# Altium PCB PCB_SAMARUC_8.PcbDoc (part 2 of 2) (continued)
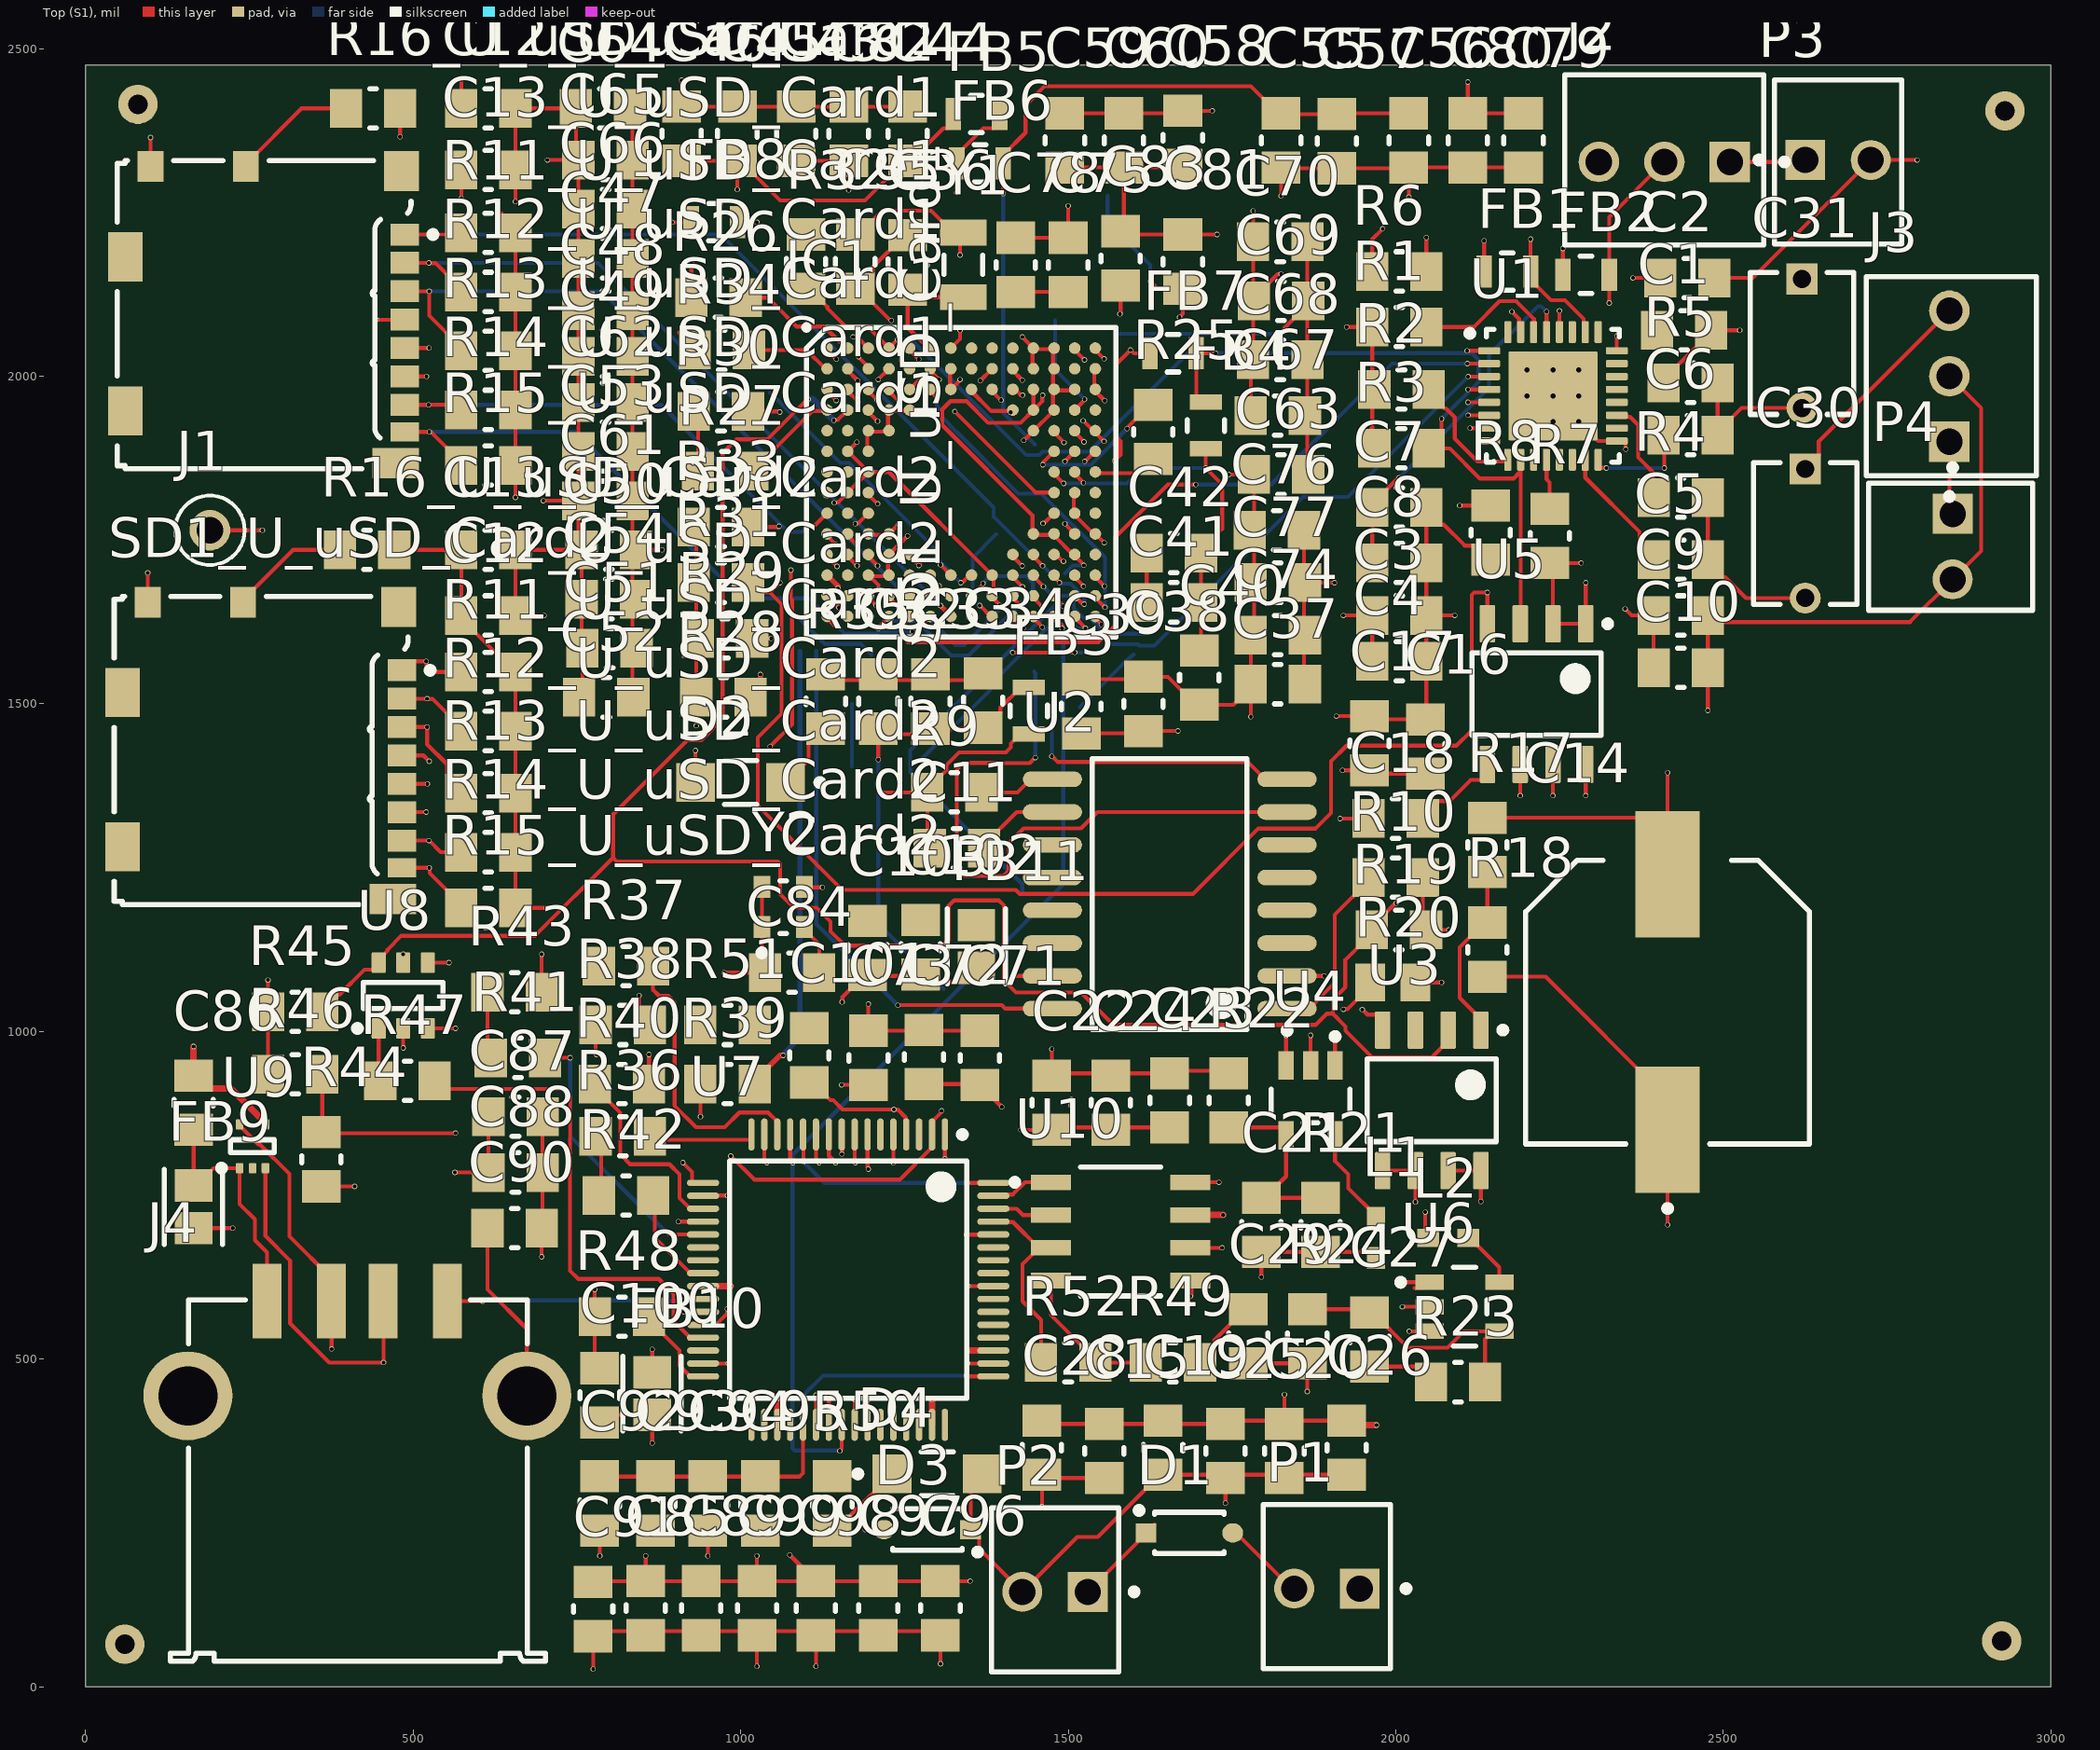
[diagram p0: Top (S1) view]
## Nets (pads, with @x,y where several pads share a name; then routed paths per layer and width w, separated by ;. In a path a pad name is that pad's centre, name@x,y a point inside that pad or via, vN(x,y) a via of type N, cw(c..) or ccw(c..) an arc to the next point about the centre after c; other vN are vias at no path point) (continued)
  Top (S1) w6: IC1.M3@1193.54,1695 1225.04,1695 IC1.L4@1225.04,1726.5 ; IC1.M3@1195,1696.5 1210.31,1681.19 1210.31,1675.84 v4(1210.69,1675.46) ; IC1.L4@1226.5,1727.99 v1(1255,1756.5) ; IC1.C6@1288.03,1978.46 1288.57,1978.46 1299.36,1967.68 v4(1299.36,1967.14) ; IC1.N8@1351.02,1663.5 1369.62,1682.1 1369.62,1683.45 v4(1370,1683.84) ; IC1.N14@1540,1663.5 v4(1556.18,1647.33)
  S2 w6: v1(1255,1756.5) 1330,1831.5 v5(1330,1914.1)
  Bottom (S3) w6: v4(1210.69,1675.46) 1210.69,1646.59 1230.91,1626.37 1269,1626.37 1321.37,1574 1348.17,1574 1446.28,1672.11 1446.28,1685.36 1436.91,1694.73 1380.9,1694.73 v4(1370,1683.84) ; v4(1299.36,1967.14) 1299.74,1966.75 1299.74,1954.2 1302.81,1951.14 1302.81,1942.19 1319.14,1925.86 1319.14,1924.97 v5(1330,1914.1) ; v5@1330,1915 1424.06,1820.94 1458.98,1820.94 1556.18,1723.74 v4(1556.18,1647.33)
NetIC1_D1: IC1.D1 R27.2 | length 153.9
  Top (S1) w6: R27.2@1017.68,1855 1017.68,1859.92 1039.28,1881.53 1044.2,1881.53 1109.65,1946.97 IC1.D1@1130.55,1946.97
NetIC1_F12: IC1.F12 R25.2 | length 232.8
  Top (S1) w6: v4(1461.3,1865) 1461.68,1865.38 1461.68,1868.65 IC1.F12@1477.01,1883.98 ; v4(1590,1920) 1590.38,1920.38 1590.38,1921.64 1625.08,1956.34 R25.2@1630,1956.34
  Bottom (S3) w6: v4(1461.3,1865) 1535,1865 v4(1590,1920)
NetIC1_G14: IC1.G14 R25.1 | length 98.2
  Top (S1) w6: IC1.G14@1541.46,1853.98 1543.24,1852.2 1608.54,1852.2 R25.1@1630,1873.66
NetIC1_J1: IC1.J1 R14_U_uSD_Card1.2 SD1_U_uSD_Card1.7 | length 799.2
  Top (S1) w6: SD1_U_uSD_Card1.7@494.82,1948.72 SD1_U_uSD_Card1.7@487.13,1956.42 v4(523.58,1956.42) 565.96,1956.42 R14_U_uSD_Card1.2@573.66,1948.72 ; v4(1103.67,1772.06) 1104.05,1772.44 1113.46,1772.44 IC1.J1@1130.51,1789.49
  Bottom (S3) w6: v4(523.58,1956.42) 878.58,1956.42 1072.64,1762.36 1093.97,1762.36 v4(1103.67,1772.06)
NetIC1_K1: IC1.K1 U2.15 | length 1275.3
  Top (S1) w6: IC1.K1@1130.55,1757.99 v1(1145.81,1742.73) ; v1(1417.67,1085) U2.15@1475.87,1085
  S2 w6: v1(1145.81,1742.73) 1161.08,1757.99 1203.24,1757.99 1221.49,1739.74 1272.34,1739.74 1275.34,1742.74 1501.13,1742.74 1519.45,1724.42 1537.45,1724.42 1641,1620.87 1641,1356 1410,1125 1410,1109.1 1417.67,1101.44 v1(1417.67,1085)
NetIC1_K2: IC1.K2 R38.2 | length 1642.1
  Top (S1) w6: v1(845,1055) 845,1026.34 R38.2@861.34,1010 ; IC1.K2@1162.05,1757.99 1162.43,1757.99 1177.89,1742.53 v1(1177.89,1741.99)
  S2 w6: v1(845,1055) 764.95,1135.05 594.7,1135.05 425,1304.75 425,1492.63 601.4,1669.03 1066.63,1669.03 1123.45,1725.84 1161.59,1725.84 1177.73,1741.99 v1(1177.89,1741.99)
NetIC1_L1: IC1.L1 U2.7 | length 1521.6
  Top (S1) w6: IC1.L1@1130.55,1726.5 v1(1147.2,1709.84) ; 1330,1330 1330,1248.82 1341.35,1237.47 1401.33,1237.47 1408.94,1245.09 1408.94,1287.01 1432.12,1310.19 1519.61,1310.19 1544.42,1335 U2.7@1834.13,1335 ; 1330.07,1330.09 1330.07,1399.91 1340.21,1410.06 1396.37,1410.06 1396.62,1409.81 1441.27,1409.81 1449.46,1418 v4(1450,1418)
  S2 w6: v5(1079.14,1640.86) 1079.27,1640.99 1079.27,1653.86 1134.87,1709.46 1146.82,1709.46 v1(1147.2,1709.84) ; v5(1200,1575) 1228.63,1546.37 1428.44,1546.37 1431.45,1549.38 v5(1447.99,1549.38)
  Bottom (S3) w6: v5(1079.14,1640.86) 1128.63,1591.37 1183.63,1591.37 v5(1200,1575) ; v5(1447.99,1549.38) 1447.99,1548.84 1450,1546.83 v4(1450,1418)
NetIC1_L2: IC1.L2 R29.2 | length 235.7
  Top (S1) w6: R29.2@1017.68,1600 v1(1046.66,1600) ; IC1.L2@1162.05,1726.5 v1(1177.74,1710.8)
  S2 w6: v1(1046.66,1600) 1060,1600 1084.86,1624.86 1085.77,1624.86 1095.14,1634.23 1095.14,1635.14 1102.46,1642.46 1102.46,1654.43 1141.46,1693.43 1153.41,1693.43 1156.72,1696.74 1163.68,1696.74 v1(1177.74,1710.8)
NetIC1_L3: IC1.L3 U2.16 | length 1024.8
  Top (S1) w6: IC1.L3@1193.54,1726.5 v1(1209.04,1711) ; v6(1240,1040) 1240.28,1040.28 1398.57,1040.28 1403.86,1035 U2.16@1475.87,1035
  S2 w6: v5(1115.55,1581.06) 1157.96,1623.47 1157.96,1630.93 1167,1639.97 1167,1672.78 1198.68,1704.46 1201.96,1704.46 1208.5,1711 v1(1209.04,1711) v1@1209.86,1710.17
  Bottom (S3) w6: v5(1115.55,1581.06) 1115.55,1164.45 v6(1240,1040)
  other v3: 1240,1040
NetIC1_L11: IC1.L11 R13_U_uSD_Card2.2 SD1_U_uSD_Card2.3 | length 1276.8
  Top (S1) w6: SD1_U_uSD_Card2.3@496.53,1450.91 SD1_U_uSD_Card2.3@482.8,1464.65 v1(521.42,1464.65) 521.42,1438.44 552.06,1407.81 552.06,1390.25 R13_U_uSD_Card2.2@573.66,1368.64 ; IC1.L11@1445.51,1726.5 1445.51,1726.28 1460.83,1710.96 v1(1460.83,1710.74)
  S2 w6: v1(521.42,1464.65) 1099.65,1464.65 1120,1485 1120,1540.25 1197,1617.25 1197,1622 1219.83,1644.83 1219.83,1649.22 1250.6,1679.98 1259.73,1679.98 1290.5,1710.74 v1(1460.83,1710.74)
NetIC1_L12: IC1.L12 R12_U_uSD_Card2.2 SD1_U_uSD_Card2.2 | length 1917.4
  Top (S1) w6: SD1_U_uSD_Card2.2@496.53,1494.22 SD1_U_uSD_Card2.2@482.8,1507.95 v1(521.45,1507.95) 521.83,1507.57 529.73,1507.57 573.66,1463.64 R12_U_uSD_Card2.2@573.66,1458.72 ; IC1.L12@1477.01,1726.5 1483.13,1726.5 1491.71,1717.92 1492.44,1717.92 v1(1492.83,1717.53)
  S2 w6: v1(521.45,1507.95) 452.98,1439.49 452.98,1299.39 518.29,1234.08 959.59,1234.08 1156.51,1431 1467.62,1431 1469.62,1433 1480.38,1433 1482.38,1431 1528.63,1431 1565.87,1468.24 1565.87,1564.25 1539.34,1590.78 1539.34,1686.8 1528.23,1697.91 1519.08,1697.91 1499.45,1717.53 v1(1492.83,1717.53)
NetIC1_M1: IC1.M1 R28.2 | length 249.5
  Top (S1) w8: R28.2@1015,1510 1030,1525 v1(1030,1545) ; IC1.M1@1130.55,1695 1133.5,1695 1148.5,1680 v1(1148.5,1676.43)
  S2 w8: v1(1030,1545) 1119.46,1634.46 1119.46,1647.39 v1(1148.5,1676.43)
NetIC1_M8: IC1.M8 SD1_U_uSD_Card1.5 | length 1023.6
  Top (S1) w6: SD1_U_uSD_Card1.5@487.13,2043.03 v1(524.57,2043.03) ; v4(1335.93,1685) 1336.32,1685.38 1338.34,1685.38 1347.96,1695 IC1.M8@1351.02,1695
  S2 w6: v1(524.57,2043.03) 976.97,2043.03 v5(1045,1975)
  Bottom (S3) w6: v5(1045,1975) 1152.13,1867.87 1165.51,1867.87 1297.83,1735.55 1297.83,1723.1 v4(1335.93,1685)
NetIC1_M10: IC1.M10 R13_U_uSD_Card1.2 SD1_U_uSD_Card1.3 | length 1357.1
  Top (S1) w6: SD1_U_uSD_Card1.3@500.86,2115.91 SD1_U_uSD_Card1.3@487.13,2129.65 v4(524.68,2129.65) 524.68,2092.63 573.66,2043.64 R13_U_uSD_Card1.2@573.66,2038.72 ; IC1.M10@1414.02,1695 v4(1430.28,1678.73)
  Bottom (S3) w6: v4(524.68,2129.65) 788.35,2129.65 1328,1590 1341.55,1590 v4(1430.28,1678.73)
NetIC1_M11: IC1.M11 U7.39 | length 1642.5
  Top (S1) w6: U7.39@1134.68,400 v1(1134.68,444.68) ; IC1.M11@1445.51,1695 1446.71,1695 1462.28,1679.43 v4(1462.28,1678.89)
  S2 w6: v1(1134.68,444.68) 1275,585 1275,1077.63 1625,1427.63 v5(1625,1614.24)
  Bottom (S3) w6: v4(1462.28,1678.89) 1476.17,1665 1499.3,1665 1508.67,1655.63 1508.67,1645.6 1522.85,1631.42 1532.96,1631.42 1557.38,1607 1617.22,1607 1624.46,1614.24 v5(1625,1614.24)
NetIC1_M12: IC1.M12 R11_U_uSD_Card2.2 SD1_U_uSD_Card2.1 | length 1242.2
  Top (S1) w6: SD1_U_uSD_Card2.1@482.8,1551.26 496.53,1564.99 v1(520,1565) 520.38,1564.62 520.38,1553.54 525.21,1548.72 R11_U_uSD_Card2.2@573.66,1548.72 ; IC1.M12@1477.27,1695 1486.67,1685.6 v1(1486.67,1685.06)
  S2 w6: v1(520,1565) 904.03,1565 941.03,1528 1085.12,1528 1181,1623.88 1181,1631.34 1183,1633.34 1183,1666.15 1205.31,1688.46 1236.45,1688.46 1244.44,1696.45 1253.57,1696.45 1283.87,1726.74 1467.89,1726.74 1476.83,1717.81 1476.83,1694.91 v1(1486.67,1685.06)
NetIC1_M13: IC1.M13 R14_U_uSD_Card2.2 SD1_U_uSD_Card2.7 | length 1575.5
  Top (S1) w6: SD1_U_uSD_Card2.7@482.8,1291.42 v1(524.49,1291.42) 542.19,1273.72 R14_U_uSD_Card2.2@573.66,1273.72 R14_U_uSD_Card2.2@555.96,1291.42 ; IC1.M13@1508.5,1695 1508.5,1694.63 1523.34,1679.8 v1(1523.34,1679.42)
  S2 w6: v1(524.49,1291.42) 971.67,1291.42 1143.25,1463 1454.36,1463 1456.36,1465 1493.64,1465 1495.64,1463 1508.69,1463 1533.87,1488.18 1533.87,1508.76 1461.24,1581.38 1442.84,1581.38 1413.86,1610.37 1413.86,1620.46 1425.36,1631.97 1495.19,1631.97 1510.88,1647.66 1510.88,1656.82 1522.95,1668.89 1522.95,1679.04 v1(1523.34,1679.42)
NetIC1_M14: IC1.M14 SD1_U_uSD_Card2.5 | length 1345.2
  Top (S1) w6: SD1_U_uSD_Card2.5@482.8,1378.03 v1(521.97,1378.03) ; IC1.M14@1540,1695 v1(1555.34,1679.66)
  S2 w6: v1(521.97,1378.03) 1035.66,1378.03 1136.63,1479 1447.73,1479 1449.73,1481 1500.27,1481 1502.16,1479.1 v5(1517.87,1494.81) ; v1(1555.34,1679.66) 1600,1635 v5(1600,1575)
  Bottom (S3) w6: v5(1517.87,1494.81) 1594.68,1571.62 1596.08,1571.62 1599.46,1575 v5(1600,1575)
NetIC1_N1: IC1.N1 R39.2 | length 807.3
  Top (S1) w8: R39.2@1021.34,920 1021.34,924.92 1060.08,963.66 v4(1065,963.66) ; IC1.N1@1132.01,1665 v1(1150,1647.01)
  S2 w8: v5(1090.46,1580) 1137.46,1627 1137.46,1634.47 v1(1150,1647.01)
  Bottom (S3) w8: v4@1065,965 1090.46,990.46 v5(1090.46,1580)
NetIC1_N3: IC1.N3 R36.2 R42.2 | length 105.3
  Top (S1) w6: R42.2@783.66,750 787.32,753.66 R36.2@787.32,835 ; IC1.N3@1193.54,1663.5 v1(1206.83,1650.22)
NetIC1_N4: IC1.N4 U2.8 | length 823.7
  Top (S1) w6: IC1.N4@1225.04,1663.5 v1(1240.89,1647.65) ; v3(1475,1420) 1475.54,1420 1484.26,1411.28 1774.39,1411.28 1800.67,1385 U2.8@1834.13,1385
  S2 w6: v1(1240.89,1647.65) 1256.24,1663 1310.38,1663 1349.62,1623.77 1349.62,1605.38 1392.63,1562.37 1421.81,1562.37 1424.82,1565.38 1454.62,1565.38 1475,1545 v5(1475,1500)
  Bottom (S3) w6: v3(1475,1420) v5(1475,1500)
  other v6: 1475,1420
NetIC1_N6: IC1.N6 R40.2 | length 933.9
  Top (S1) w6: R40.2@860,920 v1(860,965) ; v1(1271.45,1646.71) 1271.45,1646.84 1288.03,1663.42 IC1.N6@1288.03,1663.5
  S2 w6: v1(860,965) 860,1032.77 1170,1342.77 v5(1170,1405) ; v5(1170,1500) 1170,1567.62 1204.38,1602 1226.74,1602 v1(1271.45,1646.71)
  Bottom (S3) w6: v5(1170,1405) v5(1170,1500)
NetIC1_N10: IC1.N10 U1.3 | length 1021.7
  Top (S1) w6: IC1.N10@1414.02,1663.5 v1(1429.55,1647.97) ; v1(1415.18,1578.37) v6(1510,1578.37) ; v4(2110.47,1999.53) U1.3@2142.56,1999.53
  S2 w6: v1(1415.18,1578.37) 1415.18,1578.91 1406.39,1587.7 1406.39,1592.21 1397.86,1600.75 1397.86,1627.09 1418.74,1647.97 v1(1429.55,1647.97)
  Bottom (S3) w6: v6(1510,1578.37) 1548.96,1578.37 1561.58,1591 1606.63,1591 1608.63,1589 1631.63,1589 1858.63,1816 1926.95,1816 v4(2110.47,1999.53)
  other v3: 1510,1578.37
NetIC1_N12: IC1.N12 U7.41 | length 1608.6
  Top (S1) w6: U7.41@1174.06,400 v1(1174.06,438.45) ; IC1.N12@1477.01,1663.5 1478.17,1663.5 v4(1492.67,1649)
  S2 w6: v1(1174.06,438.45) 1309,573.4 1309,676.63 1358.76,726.39 1358.76,774.48 1291,842.24 1291,1071 v5(1430,1210)
  Bottom (S3) w6: v5(1430,1210) 1430,1225 1259,1396 1259,1429.24 1478.76,1649 v4(1492.67,1649)
  other v1: 1492.67,1649
  other v6: 1492.67,1649
NetIC1_N13: IC1.N13 R11_U_uSD_Card1.2 SD1_U_uSD_Card1.1 | length 1354.2
  Top (S1) w6: SD1_U_uSD_Card1.1@487.13,2216.26 v4(523.74,2216.26) 571.2,2216.26 R11_U_uSD_Card1.2@573.66,2218.72 ; IC1.N13@1511.37,1663.5 1522.27,1652.61 1524.29,1652.61 v4(1524.67,1652.23)
  Bottom (S3) w6: v4(523.74,2216.26) 969.51,2216.26 1386,1799.77 1386,1785.73 1488.37,1683.36 1503.57,1683.36 1524.67,1662.25 v4(1524.67,1652.23)
NetIC1_P4: IC1.P4 R41.2 R43.1 | length 125.3
  Top (S1) w6: R43.1@613.66,1060 613.66,965 R41.2@618.66,960 ; v1(1210,1615) 1210.38,1615.38 1210.38,1617.35 IC1.P4@1225.04,1632.01
NetIC1_P5: IC1.P5 U1.2 | length 1187.7
  Top (S1) w6: IC1.P5@1256.54,1632.01 1256.54,1630.03 1246.37,1619.87 1246.37,1602.93 1254.93,1594.37 1546.26,1594.37 1572.18,1620.29 1572.18,1754.7 1652.2,1834.72 v4(1694.72,1834.72) ; v4(2109.3,2019.21) U1.2@2142.56,2019.21
  Bottom (S3) w6: v4(1694.72,1834.72) 1809.76,1834.72 1994.26,2019.21 v4(2109.3,2019.21)
NetIC1_P6: IC1.P6 R15_U_uSD_Card1.2 SD1_U_uSD_Card1.8 | length 1011.5
  Top (S1) w6: SD1_U_uSD_Card1.8@487.13,1915.08 v4(524.92,1915.08) 525.3,1914.7 527.61,1914.7 573.66,1868.64 R15_U_uSD_Card1.2@573.66,1863.72 ; v4(1262.37,1610.37) 1262.76,1610.76 1266.74,1610.76 IC1.P6@1287.99,1632.01
  Bottom (S3) w6: v4(524.92,1915.08) 747.69,1915.08 1001.77,1661 1104.8,1661 1158.42,1607.37 1208.63,1607.37 1211.63,1610.37 v4(1262.37,1610.37)
NetIC1_P7: IC1.P7 R12_U_uSD_Card1.2 SD1_U_uSD_Card1.2 | length 1129.2
  Top (S1) w6: SD1_U_uSD_Card1.2@487.13,2172.95 v4(524.2,2172.95) 524.58,2172.57 534.73,2172.57 573.66,2133.64 R12_U_uSD_Card1.2@573.66,2128.72
  Top (S1) w8: v4(1305,1650) 1319.53,1635.47 IC1.P7@1319.53,1632.01
  Bottom (S3) w6: v4(524.2,2172.95) 782.05,2172.95 v4(1305,1650)
NetIC1_P9: IC1.P9 U1.5 | length 1106.4
  Top (S1) w6: v4(1365,1650) 1365.54,1650 1383.06,1632.48 IC1.P9@1383.06,1632.01 ; v1(2110.16,1960.16) U1.5@2142.56,1960.16
  S2 w6: v5(1390,1758.74) 1422.96,1758.74 1479,1814.78 1479,1827.62 1433.03,1873.59 1433.03,1902.6 1446.43,1916 1542.38,1916 1586.54,1960.16 v1(2110.16,1960.16)
  Bottom (S3) w6: v4(1365,1650) 1354,1661 1354,1722.74 v5(1390,1758.74)
NetIC1_P10: IC1.P10 R15_U_uSD_Card2.2 SD1_U_uSD_Card2.8 | length 1467
  Top (S1) w6: SD1_U_uSD_Card2.8@482.8,1250.08 v1(524.92,1250.08) 525.3,1249.7 525.3,1242 573.66,1193.64 R15_U_uSD_Card2.2@573.66,1188.72 ; IC1.P10@1415.39,1632.01 1431.44,1615.96 v1(1431.44,1615.42)
  S2 w6: v1(524.92,1250.08) 952.96,1250.08 1149.88,1447 1460.99,1447 1462.99,1449 1487.01,1449 1489.01,1447 1522,1447 1549.87,1474.87 1549.87,1515.39 1461.57,1603.69 1443.17,1603.69 v1(1431.44,1615.42)
NetIC1_P11: IC1.P11 U1.4 | length 53.9
  Top (S1) w6: IC1.P11@1445.51,1632.01 1446.05,1632.01 1460.52,1617.54 v1(1460.52,1617) ; v1(2110.16,1979.84) U1.4@2142.56,1979.84
NetIC1_P12: IC1.P12 U7.40 | length 1560.8
  Top (S1) w6: v4(1151.37,360) 1151.37,360.54 1154.37,363.54 U7.40@1154.37,400 ; IC1.P12@1477.55,1632.01 1478.63,1632.01 1490.43,1620.21 1490.43,1615.8 v4(1490.81,1615.42)
  Bottom (S3) w6: v4(1151.37,360) 1150.68,360.68 1082.83,360.68 1079.32,364.2 1079.32,811.69 1492.5,1224.87 1492.5,1596.97 1491.19,1598.28 1491.19,1615.04 v4(1490.81,1615.42)
NetIC1_P13: IC1.P13 U7.38 | length 1457
  Top (S1) w6: U7.38@1115,400 v1(1115,445) ; IC1.P13@1509.87,1632.01 1510.29,1632.01 1526.34,1615.96 v4(1526.34,1615.42)
  S2 w6: v1(1115,445) 1115,522.37 1259,666.37 1259,1399 v5(1275,1415)
  Bottom (S3) w6: v5(1275,1415) 1380.63,1520.63 1380.63,1528.24 1483.81,1631.42 1497.44,1631.42 1513.44,1615.42 v4(1526.34,1615.42)
NetJ2_1: J2.1 P3.1 | length 116.2
  Top (S1) w6: J2.1@2510,2327.05 2622.05,2327.05 P3.1@2625,2330
NetJ3_1: J3.1 P4.1 | length 112.1
  Top (S1) w6: J3.1@2845,1900 2845,1795 P4.1@2850,1790
NetJ4_2: J4.2 U7.7 U9.5 | length 1467.2
  Top (S1) w6: U9.5@235.32,858.46 235.32,856.5 263.65,828.17 265.97,828.17 311.27,782.86 311.27,687.62 375.63,623.27 J4.2@375.63,588.62 v1(375.63,515.63) ; U7.7@1193.74,842.91 1193.74,791.8 1195,790.54 v1(1195,790)
  S2 w6: v1(375.63,515.63) 431.26,460 455,460 533,538 998.25,538 1022.31,562.05 1022.31,617.31 v1(1195,790)
NetJ4_3: J4.3 U7.8 U9.3 | length 1474.6
  Top (S1) w6: U9.3@274.69,791.54 274.69,688.27 312.25,650.7 312.25,554.88 372.13,495 v1(455,495) 455,587.99 J4.3@454.37,588.62 J4.3@454.37,623.27 ; U7.8@1174.06,842.91 1174.06,801.49 1175,800.54 v1(1175,800)
  S2 w6: v1(455,495) 514,554 991.63,554 1006.31,568.68 1006.31,631.31 v1(1175,800)
NetL1_1: L1.1 U4.5 | length 152.3
  Top (S1) w6: U4.5@1907.4,841.85 1907.4,802.13 1927.53,782 1927.53,760.94 1970,718.46 L1.1@1970,715.51
NetL2_1: L2.1 U6.5 | length 89.1
  Top (S1) w6: L2.1@2110.51,685 2113.46,685 2158.15,640.31 U6.5@2158.15,617.4
NetR1_1: R1.1 U1.30 | length 195.3
  Top (S1) w6: R1.1@2046.77,2075 2118.69,2075 2158.36,2114.67 2183.84,2114.67 2210.89,2087.63 U1.30@2210.89,2084.11
NetR4_1: R4.1 U1.19 | length 159.1
  Top (S1) w6: U1.19@2337.44,1940.47 2339.95,1937.96 2357.61,1937.96 2369.8,1925.77 2369.8,1876.34 2393.66,1852.48 R4.1@2393.66,1815
NetR7_2: R7.2 U1.12 | length 76.9
  Top (S1) w6: U1.12@2230.16,1872.56 2230.16,1842.73 2235,1837.89 R7.2@2235,1797.68
NetR9_2: R9.2 U2.9 | length 116.5
  Top (S1) w6: R9.2@1367.68,1365 1422.4,1365 1442.4,1385 U2.9@1475.87,1385
NetR10_2: R10.2 U2.1 | length 271.2
  Top (S1) w6: U2.1@1834.13,1035 1867.6,1035 1907.01,1074.41 1907.01,1178.43 1958.66,1230.08 R10.2@1958.66,1235
NetR16_U_uSD_Card1_2: R16_U_uSD_Card1.2 SD1_U_uSD_Card1.9 | length 191.8
  Top (S1) w6: SD1_U_uSD_Card1.9@245,2320 245,2323.94 329.78,2408.72 R16_U_uSD_Card1.2@397.7,2408.72
NetR16_U_uSD_Card2_2: R16_U_uSD_Card2.2 SD1_U_uSD_Card2.9 | length 183.4
  Top (S1) w6: SD1_U_uSD_Card2.9@240.67,1655 240.67,1658.94 316.73,1735 R16_U_uSD_Card2.2@388.66,1735
NetR17_2: R17.2 R18.1 U3.1 | length 275.3
  Top (S1) w6: U3.1@2130,1002.28 2130,1019.02 2097.47,1051.54 2097.47,1128.73 2135.08,1166.34 R18.1@2140,1166.34 R17.2@2140,1243.66
NetR20_2: R20.2 U5.8 | length 463.8
  Top (S1) w6: R20.2@2030,1075 v1(2070,1075) ; v1(2290,1360) U5.8@2290,1407.72
  S2 w6: v1(2070,1075) 2070,1140 v1(2290,1360)
NetR36_1: R36.1 U7.16 | length 153.4
  Top (S1) w6: R36.1@870,835 1014.8,835 1016.57,836.78 U7.16@1016.57,842.91
NetR37_2: R37.2 U7.14 | length 439.8
  Top (S1) w6: R37.2@866.34,1100 866.34,1063.66 875.71,1054.29 889.57,1054.29 899.12,1044.74 899.12,887.02 931.99,854.15 975.82,854.15 998.2,876.52 1042.03,876.52 1055.94,862.6 U7.14@1055.94,842.91
NetR38_1: R38.1 U7.17 | length 317.6
  Top (S1) w6: R38.1@778.66,1010 778.66,966.88 780,965.54 v1(780,965) ; v1(911.85,800) 926.07,785.78 926.07,770.87 927.85,769.09 U7.17@942.76,769.09
  S2 w6: v1(780,965) 911.85,833.15 v1(911.85,800)
NetR39_1: R39.1 U7.18 | length 224.6
  Top (S1) w6: v1(938.66,870.15) R39.1@938.66,920 ; U7.18@942.76,749.41 943.05,749.7 979.7,749.7 v1(980,750)
  S2 w6: v1(938.66,870.15) 938.66,791.34 v1(980,750)
NetR40_1: R40.1 U7.19 | length 305.5
  Top (S1) w6: R40.1@777.32,920 777.32,915.08 816.27,876.13 816.27,812.55 831.35,797.47 891.38,797.47 906.6,782.26 906.6,746.19 923.07,729.72 U7.19@942.76,729.72
NetR41_1: R41.1 U7.21 | length 423.4
  Top (S1) w6: R41.1@701.34,960 v4(740,960) ; v4(885,695) 885.54,695 890.19,690.35 U7.21@942.76,690.35
  Bottom (S3) w6: v4(740,960) 740,840 v4(885,695)
NetR42_1: R42.1 U7.24 | length 161.9
  Top (S1) w6: R42.1@866.34,750 869,747.34 869,685.37 923.07,631.3 U7.24@942.76,631.3
NetR44_1: R44.1 U7.26 | length 655.8
  Top (S1) w6: R44.1@360,763.66 v4(410.86,763.66) ; v4(913.79,589.59) 914.33,589.59 915.93,591.19 942.02,591.19 U7.26@942.76,591.93
  GND2 w10: v4(410.86,763.66) v8(584.52,590)
  Bottom (S3) w6: v8(584.52,590) 584.82,589.7 913.69,589.7 v4(913.79,589.59)
NetR44_2: R44.2 R46.1 U7.27 | length 775
  Top (S1) w6: R44.2@360,846.34 361.34,847.68 R46.1@361.34,935 ; R44.2@370,845 v1(565,845) ; v1(913.61,572.24) U7.27@942.76,572.24
  S2 w6: v1(565,845) 811,599 886,599 908.41,576.59 908.72,576.59 913.07,572.24 v1(913.61,572.24)
NetR47_1: R47.1 U7.29 | length 752.3
  Top (S1) w6: R47.1@532.68,925 545.15,912.53 727.67,912.53 739.72,900.48 739.72,635.09 752.33,622.47 875.05,622.47 897.61,599.91 897.61,558.34 923.07,532.87 U7.29@942.76,532.87
NetR47_2: R47.2 U8.1 | length 80.8
  Top (S1) w6: U8.1@447.6,1004.8 447.6,927.4 R47.2@450,925
NetR48_1: R48.1 U7.32 | length 137
  Top (S1) w6: R48.1@860,565 860,560.08 906.67,513.41 906.67,490.22 923.07,473.82 U7.32@942.76,473.82
NetR49_2: R49.2 R52.1 U10.4 | length 237.4
  Top (S1) w6: U10.4@1473.7,620 1473.7,567.56 1541.34,499.92 R52.1@1541.34,495 R49.2@1618.66,495 R49.2@1613.66,490
NetR50_1: R50.1 U7.60 | length 518.1
  Top (S1) w6: R50.1@1140,321.34 v1(1180.49,321.34) ; v1(1345,690) 1345.18,690.18 1385.49,690.18 U7.60@1385.67,690.35
  S2 w6: v1(1180.49,321.34) 1325,465.85 1325,670 v1(1345,690)
NetR51_1: R51.1 U7.6
NetR52_2: R52.2 U7.61 U10.3 | length 306.6
  Top (S1) w6: U7.61@1385.67,710.04 1386.4,709.3 1415.7,709.3 U10.3@1455,670 ; R52.2@1458.66,490.08 R52.2@1458.66,495 1458.66,559.97 1430.19,588.44 1430.19,645.19 U10.3@1455,670 ; U10.3@1473.7,670 U10.3@1455,670
NetU7_28: U7.28 U8.4 | length 829.8
  Top (S1) w6: U8.4@522.4,1105.2 v1(554.8,1105.2) ; U7.28@942.76,552.56 962.44,552.56 979.23,569.35 979.23,576.62 v1(979.62,577)
  S2 w6: v1(554.8,1105.2) 555.19,1104.81 555.19,929.81 870,615 941.62,615 v1(979.62,577)
NetU7_62: U7.62 U10.2 | length 92.1
  Top (S1) w6: U7.62@1385.67,729.72 1421.43,729.72 1431.15,720 U10.2@1473.7,720
NetU7_63: U7.63 U10.1 | length 76.4
  Top (S1) w6: U7.63@1405,751.37 1415.56,751.37 1434.19,770 U10.1@1473.7,770
PWR_GOOD: IC1.D2 R6.2 R19.2 R45.2 U1.31 U3.2 U8.6 | length 4670.9
  Top (S1) w6: R45.2@361.34,1030 361.34,1034.92 382.94,1056.53 387.87,1056.53 425.74,1094.4 439.77,1094.4 447.6,1102.22 U8.6@447.6,1105.2 447.6,1110.12 461.17,1123.69 461.17,1125.19 482.18,1146.19 686.33,1146.19 805.32,1265.18 ; v4@1102.52,1965 1041.33,1903.81 993.97,1903.81 972.61,1882.45 972.61,1477.76 939.74,1444.9 918.56,1444.9 805.32,1331.65 805.32,1265.18 ; v4(1142.38,1932.72) 1142.77,1933.1 1148.14,1933.1 IC1.D2@1162.01,1946.97 ; R6.2@1964.09,2160 1964.09,2209.09 v1(1980,2225) ; v1(2000.75,1195.75) 2000.36,1195.36 1999.1,1195.36 1963.66,1159.92 R19.2@1963.66,1155 1963.66,1150.08 1923.03,1109.44 1923.03,1067.8 1904,1048.77 1904,1027.27 ; U3.2@2080,1002.28 2080,985.55 2055.19,960.74 1963.98,960.74 1923.4,1001.32 1923.4,1007.87 1904,1027.27 ; v1(2177.22,2098.67) 2188.28,2087.61 2188.28,2069.95 U1.31@2190.79,2067.44 ; 805.32,1265.18 810.93,1259.57 1056.91,1259.57 1060.43,1256.06 1060.43,1209.65 1080.86,1189.22 1115.66,1189.22 1137.29,1167.59 1137.29,1152.87 1158.92,1131.24 1308.76,1131.24 1317.53,1140.01 1317.53,1191.79 1325.95,1200.21 1394.05,1200.21 1401.67,1192.59 1401.67,1078.37 1420.23,1059.81 1519.61,1059.81 1569.23,1010.19 1877.88,1010.19 1894.96,1027.27 1904,1027.27
  S2 w6: v1(1980,2225) 2050.89,2225 v1(2177.22,2098.67) 2177.22,1372.22 v1(2000.75,1195.75)
  GND1 w10: v4@1102.52,1965 v4(1102.99,1965)
  Bottom (S3) w10: v4(1102.99,1965) 1110.1,1965 v4(1142.38,1932.72)
USB_LDO_OUT: FB5.1 FB6.1 IC1.D13 | length 576.8
  Top (S1) w6: v1(1330,2280) FB6.1@1330,2325 1330,2337.8 1370.6,2378.39 1386.62,2378.39 1395.43,2387.2 FB5.1@1395.43,2400 ; IC1.D13@1508.68,1947.18 IC1.D13@1509.96,1948.46 1524.62,1963.12 1524.62,1964.62 v4(1525,1965)
  S2 w6: v1(1330,2280) 1480,2130 v5(1480,2085)
  Bottom (S3) w6: v5(1480,2085) 1480,2010 v4(1525,1965)
VCC_1V3: C14.2 C16.2 C17.2 C38.2 C39.2 IC1.B4 IC1.B5 R17.1 U3.7 U3.8 | length 848.7
  Top (S1) w6: v3(1210,1995) 1224.98,2009.96 IC1.B4@1225.04,2009.96 ; v3(1245,2025) 1245,2024.72 1256.54,2013.19 IC1.B5@1256.54,2009.96 ; C39.2@1523.66,1451.34 C39.2@1520,1455 C38.2@1595,1455 ; C38.2@1615,1458.66 v3(1667.51,1458.66) ; v3(1918.52,1398.66) C17.2@1960,1398.66 1965,1393.66 C16.2@2045,1393.66 ; U3.7@2080,787.72 U3.8@2130,787.72 v3(2130,740.58) ; R17.1@2140,1326.34 2368.79,1326.34 C14.2@2415,1280.13 ; C14.2@2415,1239.88 C14.2@2415,1280.13 ; v3(2415,1395) C14.2@2415,1280.13
VCC_1V8: C21.2 C22.2 C23.2 C24.2 C71.2 C72.2 C73.2 IC1.B10 IC1.B14 IC1.C14 L1.2 R21.1 | length 696.3
  Top (S1) w6: v3(1154.13,918.66) C73.2@1195,918.66 ; C72.2@1280,920 1363.66,920 C71.2@1365,918.66 v3(1398.66,885) ; IC1.B10@1414.02,2009.96 v3(1430,1993.98) ; v3(1427.74,850) C22.2@1475,850 1478.66,853.66 C23.2@1655,853.66 ; IC1.B14@1540,2009.96 1540,1978.46 v3(1555.78,1962.69) ; v3(1795,625.43) C21.2@1795,663.66 R21.1@1885,663.66 1960.83,663.66 L1.2@1970,654.49
VCC_3V3: C3.2 C4.2 C11.2 C12_U_uSD_Card1.2 C12_U_uSD_Card2.2 C13_U_uSD_Card1.2 C13_U_uSD_Card2.2 C15.2 C27.2 C28.2 C29.2 C37.2 C74.2 C75.2 C76.2 C77.2 C78.2 C79.2 C80.2 C84.2 C85.2 C89.2 C91.2 C96.2 C97.2 C98.2 C99.2 FB1.1 FB3.1 FB4.1 FB7.1 FB10.1 FB11.1 IC1.C3 IC1.N11 L2.2 R1.2 R2.2 R3.2 R9.1 R10.1 R11_U_uSD_Card1.1 R11_U_uSD_Card2.1 R12_U_uSD_Card1.1 R12_U_uSD_Card2.1 R13_U_uSD_Card1.1 R13_U_uSD_Card2.1 R14_U_uSD_Card1.1 R14_U_uSD_Card2.1 R15_U_uSD_Card1.1 R15_U_uSD_Card2.1 R16_U_uSD_Card1.1 R16_U_uSD_Card2.1 R19.1 R23.1 R28.1 R29.1 R31.1 R32.1 R33.1 R34.1 R37.1 R45.1 R46.2 R49.1 SD1_U_uSD_Card1.4 SD1_U_uSD_Card2.4 U1.6 U2.2 U3.5 U3.6 U7.20 U7.31 U7.42 U7.50 U7.56 U8.3 U8.5 U10.6 U10.8 Y2.1 Y2.4 | length 5442.1
  Top (S1) w6: R46.2@278.66,930.08 R46.2@278.66,935 R45.1@278.66,1030 v3(278.66,1078.66) ; v3(443.66,2086.34) SD1_U_uSD_Card1.4@487.13,2086.34 SD1_U_uSD_Card1.4@500.86,2072.61 ; R16_U_uSD_Card2.1@471.34,1735 C13_U_uSD_Card2.2@573.66,1735 C12_U_uSD_Card2.2@573.66,1635 573.66,1630.08 628.49,1575.25 634.73,1575.25 656.34,1553.64 R11_U_uSD_Card2.1@656.34,1548.72 R12_U_uSD_Card2.1@656.34,1458.72 R13_U_uSD_Card2.1@656.34,1363.72 R14_U_uSD_Card2.1@656.34,1273.72 R15_U_uSD_Card2.1@656.34,1188.72 ; v3(480.37,2365.37) R16_U_uSD_Card1.1@480.37,2408.72 ; SD1_U_uSD_Card2.4@482.8,1421.34 515.9,1421.34 v3(524.78,1412.46) ; U8.5@485,1105.2 v3(485,1117.94) ; U8.3@522.4,1004.8 v3(564.8,1004.8) ; v3(573.66,2271.34) C13_U_uSD_Card1.2@573.66,2315 ; C12_U_uSD_Card1.2@573.66,2408.72 v3(573.66,2454.02) ; 634.73,2249.01 634.73,2240.33 R11_U_uSD_Card1.1@656.34,2218.72 R12_U_uSD_Card1.1@656.34,2128.72 R13_U_uSD_Card1.1@656.34,2038.72 R14_U_uSD_Card1.1@656.34,1948.72 R15_U_uSD_Card1.1@656.34,1863.72 v3(656.34,1815.08) ; R15_U_uSD_Card2.1@656.34,1183.8 R15_U_uSD_Card2.1@656.34,1188.72 ; v3(703.72,1188.72) R15_U_uSD_Card2.1@656.34,1188.72 ; C91.2@759.97,85 C96.2@1299.97,85 ; v3(775,27.17) C91.2@775,77.32 ; v3(865,515) FB10.1@865,480.01 FB10.1@868.96,480.01 ; v3(905.04,710.04) U7.20@942.76,710.04 ; R34.1@905.95,2066.53 908.39,2066.53 930,2044.92 R34.1@930,2040 ; R33.1@928.66,1770 932.32,1766.34 R28.1@932.32,1510 v3(932.32,1466.64) ; U7.31@942.76,493.5 v3(981.5,493.5) ; v3(974.56,1090) C84.2@1037.32,1090 1032.52,1094.8 Y2.1@1032.52,1159.49 Y2.4@1032.52,1220.51 1032.52,1224.45 Y2.4@1042.32,1234.24 ; v3(1025,31.39) C99.2@1025,78.66 ; v3(1115,31.45) C98.2@1115,78.66 ; IC1.C3@1193.54,1978.46 v3(1208.19,1963.81) ; U7.42@1193.74,400 v3(1193.74,437.76) ; v3(1214.72,1365) R9.1@1285,1365 ; C11.2@1288.66,1280 1285,1283.66 R9.1@1285,1365 ; v3(1305,35.34) C96.2@1305,78.66 ; v3(1346.29,493.5) U7.50@1385.67,493.5 ; v3(1347.04,611.61) U7.56@1385.67,611.61 ; FB11.1@1356.04,1162.51 FB11.1@1360,1162.51 ; C78.2@1420,2211.34 C75.2@1500,2211.34 v3(1500,2259.97) ; FB3.1@1440,1454.13 1427.2,1454.13 1412.53,1439.46 1412.53,1433.67 1404.91,1426.06 1333.59,1426.06 1314.07,1406.54 1314.07,1398.99 1285,1369.92 R9.1@1285,1365 ; IC1.N11@1445.51,1663.5 v3(1460.8,1648.21) ; v3(1460,275) C28.2@1460,323.66 1465,318.66 C15.2@1555,318.66 ; U10.6@1686.3,670 v3(1735,670) ; U10.8@1686.3,770 v3(1730,770) ; R49.1@1701.34,495 1722.94,516.61 1722.94,529.2 1770.08,576.34 C29.2@1775,576.34 ; FB4.1@1710,1960.43 1704.24,1960.43 1695.43,1969.24 FB7.1@1695.43,2035 v3(1725,2035) ; U2.2@1800.67,1085 U2.2@1834.13,1085 v3(1891.01,1085) ; C76.2@1860,1769.92 C76.2@1860,1765 1860,1531.34 C37.2@1861.34,1530 ; C77.2@1861.34,1685 v3(1906.56,1685) ; v3(1920,1635) C3.2@1964.09,1635 C4.2@1964.09,1565 ; v3(1925,2075) R1.2@1964.09,2075 1964.09,1893.23 R3.2@1967.32,1890 R3.2@1967.32,1885.08 ; C27.2@1960,488.66 2032.06,488.66 2053.66,467.06 R23.1@2053.66,465 ; R3.2@1962.32,1915.08 1962.32,1920 ; U3.5@1980,787.72 U3.6@2030,787.72 v3(2030,740) ; R10.1@2041.34,1235 2041.34,1160 R19.1@2046.34,1155 v3(2081.1,1155) ; v3(2045,724.5) 2045,685 L2.2@2049.49,685 ; v3(2110,2448.97) C80.2@2110,2401.34 C79.2@2195,2401.34 ; v3(2110.47,1940.47) U1.6@2142.56,1940.47 ; FB1.1@2135,2160 v3(2135,2206.77)
VCC_3V3A: C1.2 C2.2 FB1.2 U1.26 | length 310.3
  Top (S1) w6: v3(2205.87,2209.13) FB1.2@2205.87,2160 2205.87,2147.2 2237.23,2115.84 2258.47,2115.84 2286.7,2087.61 2286.7,2069.95 U1.26@2289.21,2067.44 ; v3(2362.01,2150) C2.2@2393.66,2150 ; C1.2@2393.66,2070 C2.2@2393.66,2150 ; C2.2@2403.66,2150 C2.2@2393.66,2150
VCC_DUAL: C19.2 C20.2 C25.2 C26.2 D3.1 D4.2 P2.2 R20.1 U4.1 U4.3 U5.7 U6.1 U6.3 | length 1133.7
  Top (S1) w6: D4.2@1368.9,325 1351.14,307.24 D3.1@1351.14,240 1352.44,240 1364.05,228.39 1364.05,210.95 P2.2@1430,145 1513.79,228.79 1545.21,228.79 1640.08,323.66 C19.2@1645,323.66 1735,323.66 C25.2@1740,318.66 ; v3(1740,280.25) C25.2@1740,318.66 ; U4.3@1832.6,948.15 v3(1832.6,994.19) ; U4.1@1907.4,948.15 v3(1907.4,996.8) ; v3(1920,1033.9) 1920.38,1034.28 1926.29,1034.28 1961.1,1069.09 R20.1@1961.1,1075 ; C26.2@1925,323.66 1745,323.66 C25.2@1740,318.66 ; v3(2012.6,617.4) U6.1@2051.85,617.4 2043.04,608.59 2028.59,608.59 ; v3(2020.61,542.6) U6.3@2051.85,542.6 ; v3(2240,1360) U5.7@2240,1407.72
pads on no net: IC1.A8 IC1.A9 IC1.A10 IC1.B8 IC1.B13 IC1.D14 IC1.E1 IC1.E2 IC1.F1 IC1.G1 IC1.G2 IC1.H1 IC1.H14 IC1.J2 IC1.J14 IC1.L14 IC1.M2 IC1.M5 IC1.N2 IC1.N5 IC1.N7 IC1.P2 IC1.P3 IC1.P8 SD1_U_uSD_Card1.11 SD1_U_uSD_Card1.12 SD1_U_uSD_Card1.13 SD1_U_uSD_Card1.14 SD1_U_uSD_Card2.11 SD1_U_uSD_Card2.12 SD1_U_uSD_Card2.13 SD1_U_uSD_Card2.14 U1.8 U1.11 U1.13 U1.14 U1.18 U1.20 U1.21 U1.22 U1.23 U1.25 U1.27 U1.32 U2.3 U2.4 U2.5 U2.6 U2.11 U2.12 U2.13 U2.14 U3.3 U7.3 U7.22 U7.23 U7.30 U7.33 U7.34 U7.36 U7.43 U7.44 U7.45 U7.46 U7.48 U7.52 U7.53 U7.54 U7.55 U7.57 U7.58 U7.59 U9.2